# Altium PCB source.PcbDoc (part 1 of 2)
Units mm, origin at the board's own origin, x right, y up, seen from the top; angles counter-clockwise.
Board outline 160 x 160 mm, 4 copper layers (Top Layer, Layer 1, Layer 2, Bottom Layer), stack 0.603 mm thick; 417 components, 228 nets, 1083 pads, 39 vias.
Unrouted connection lines stored in the file: 679.
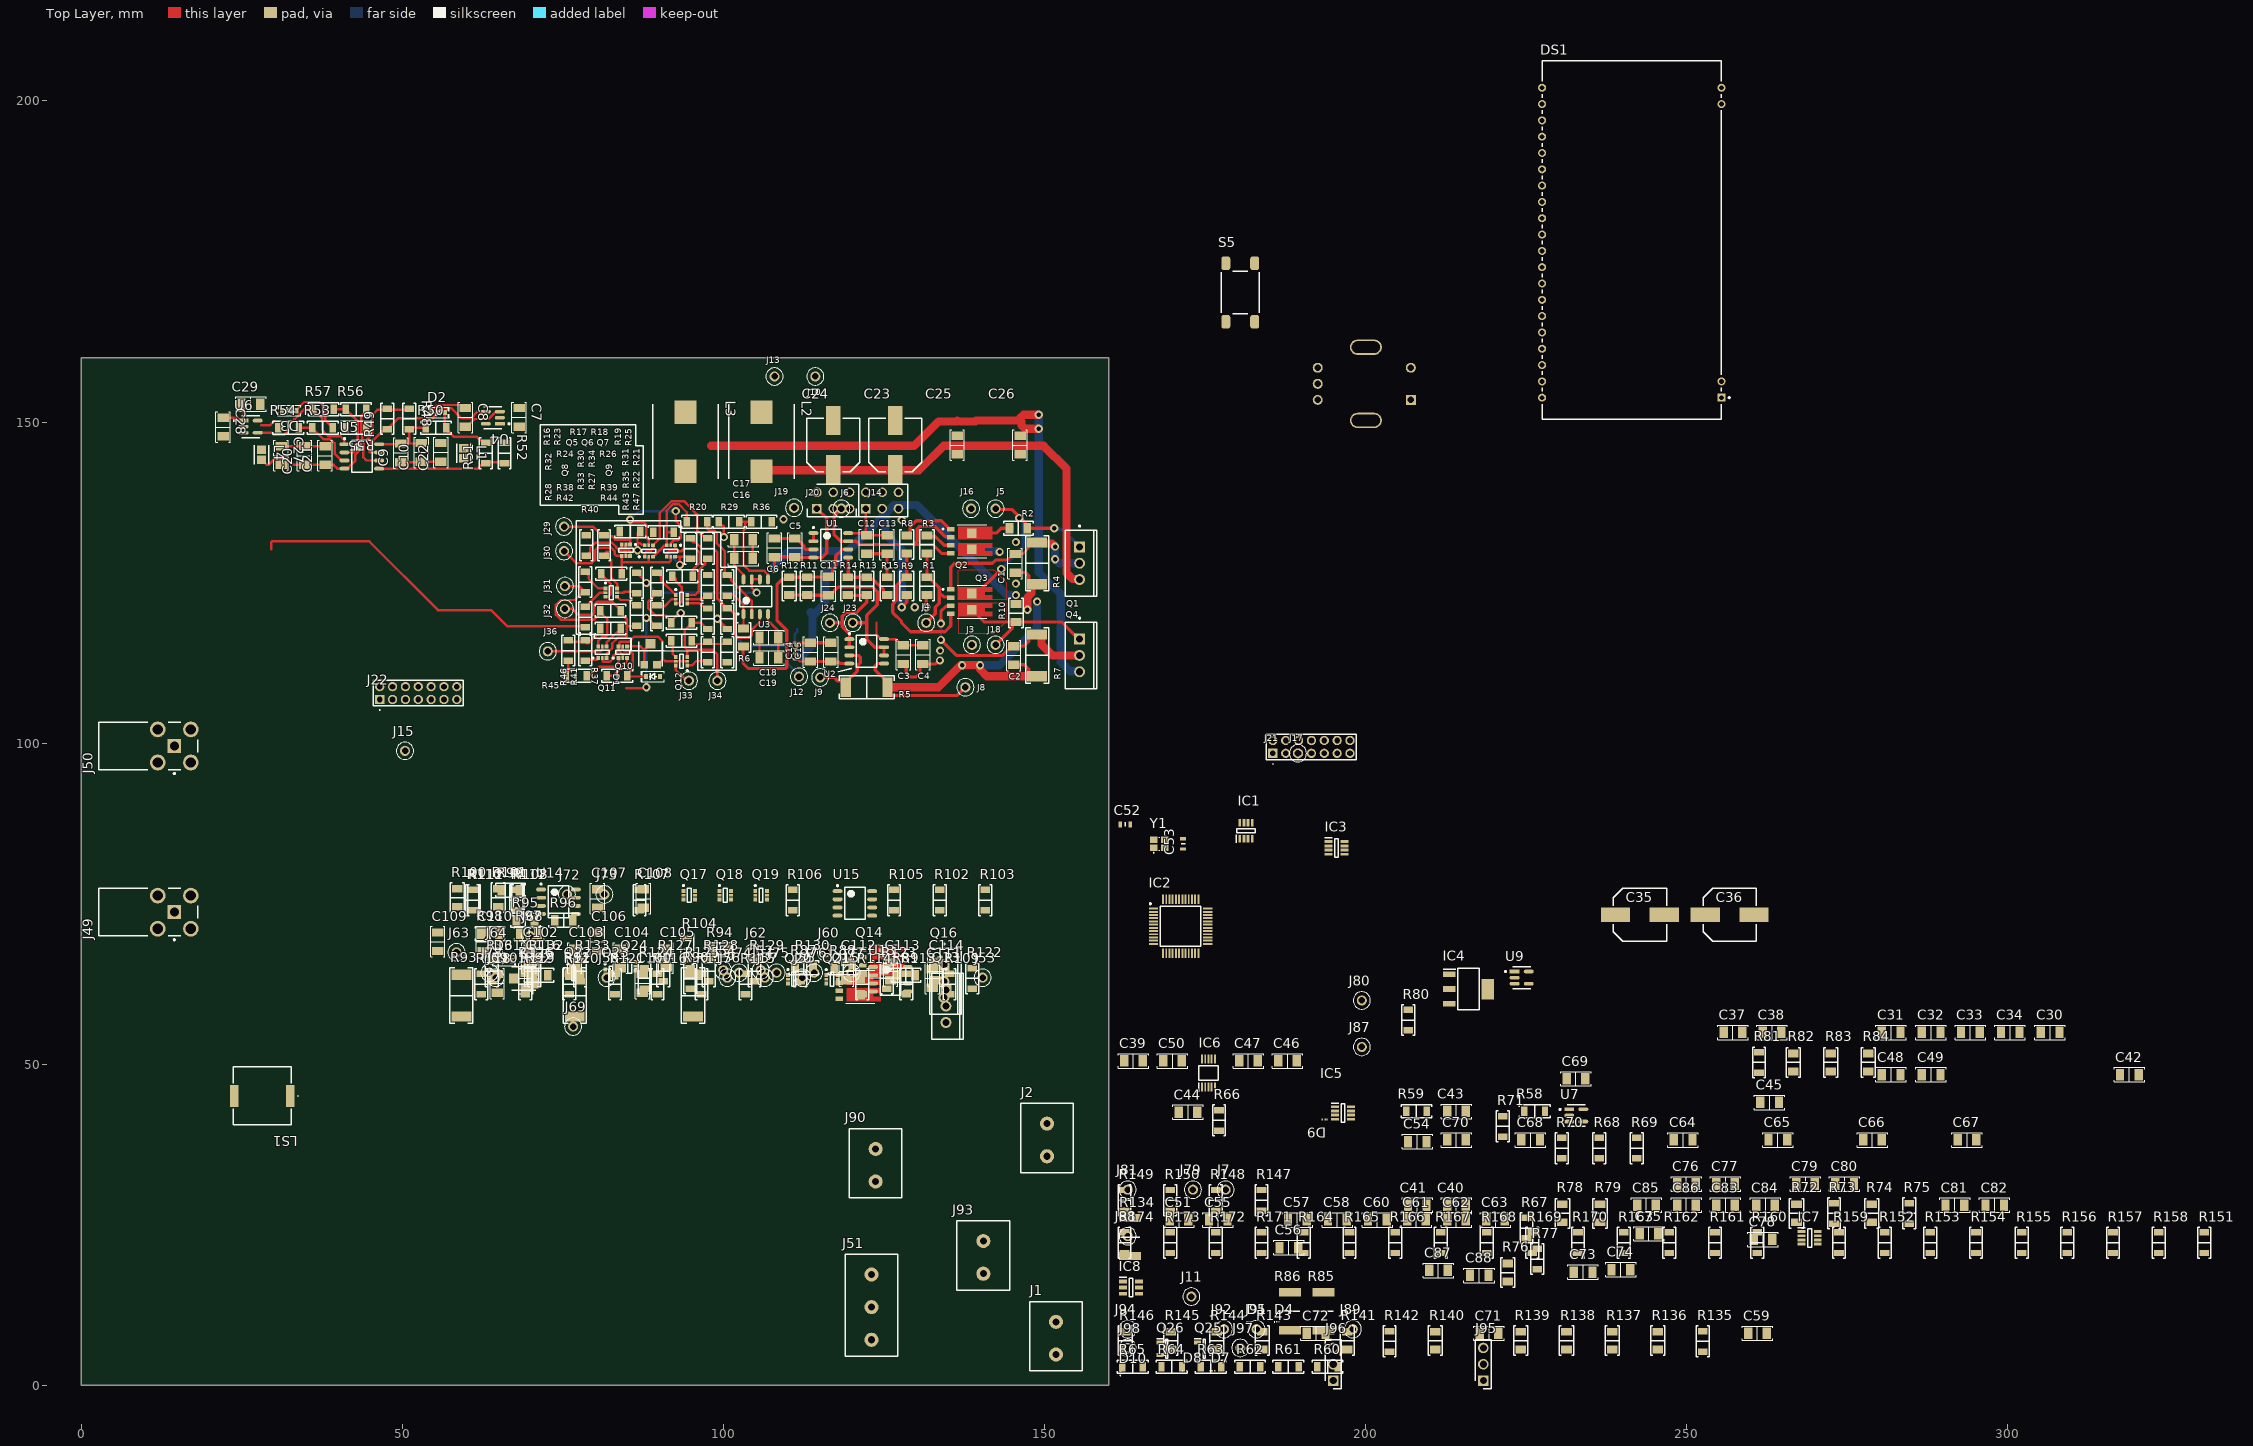
[diagram p0: Top Layer view]
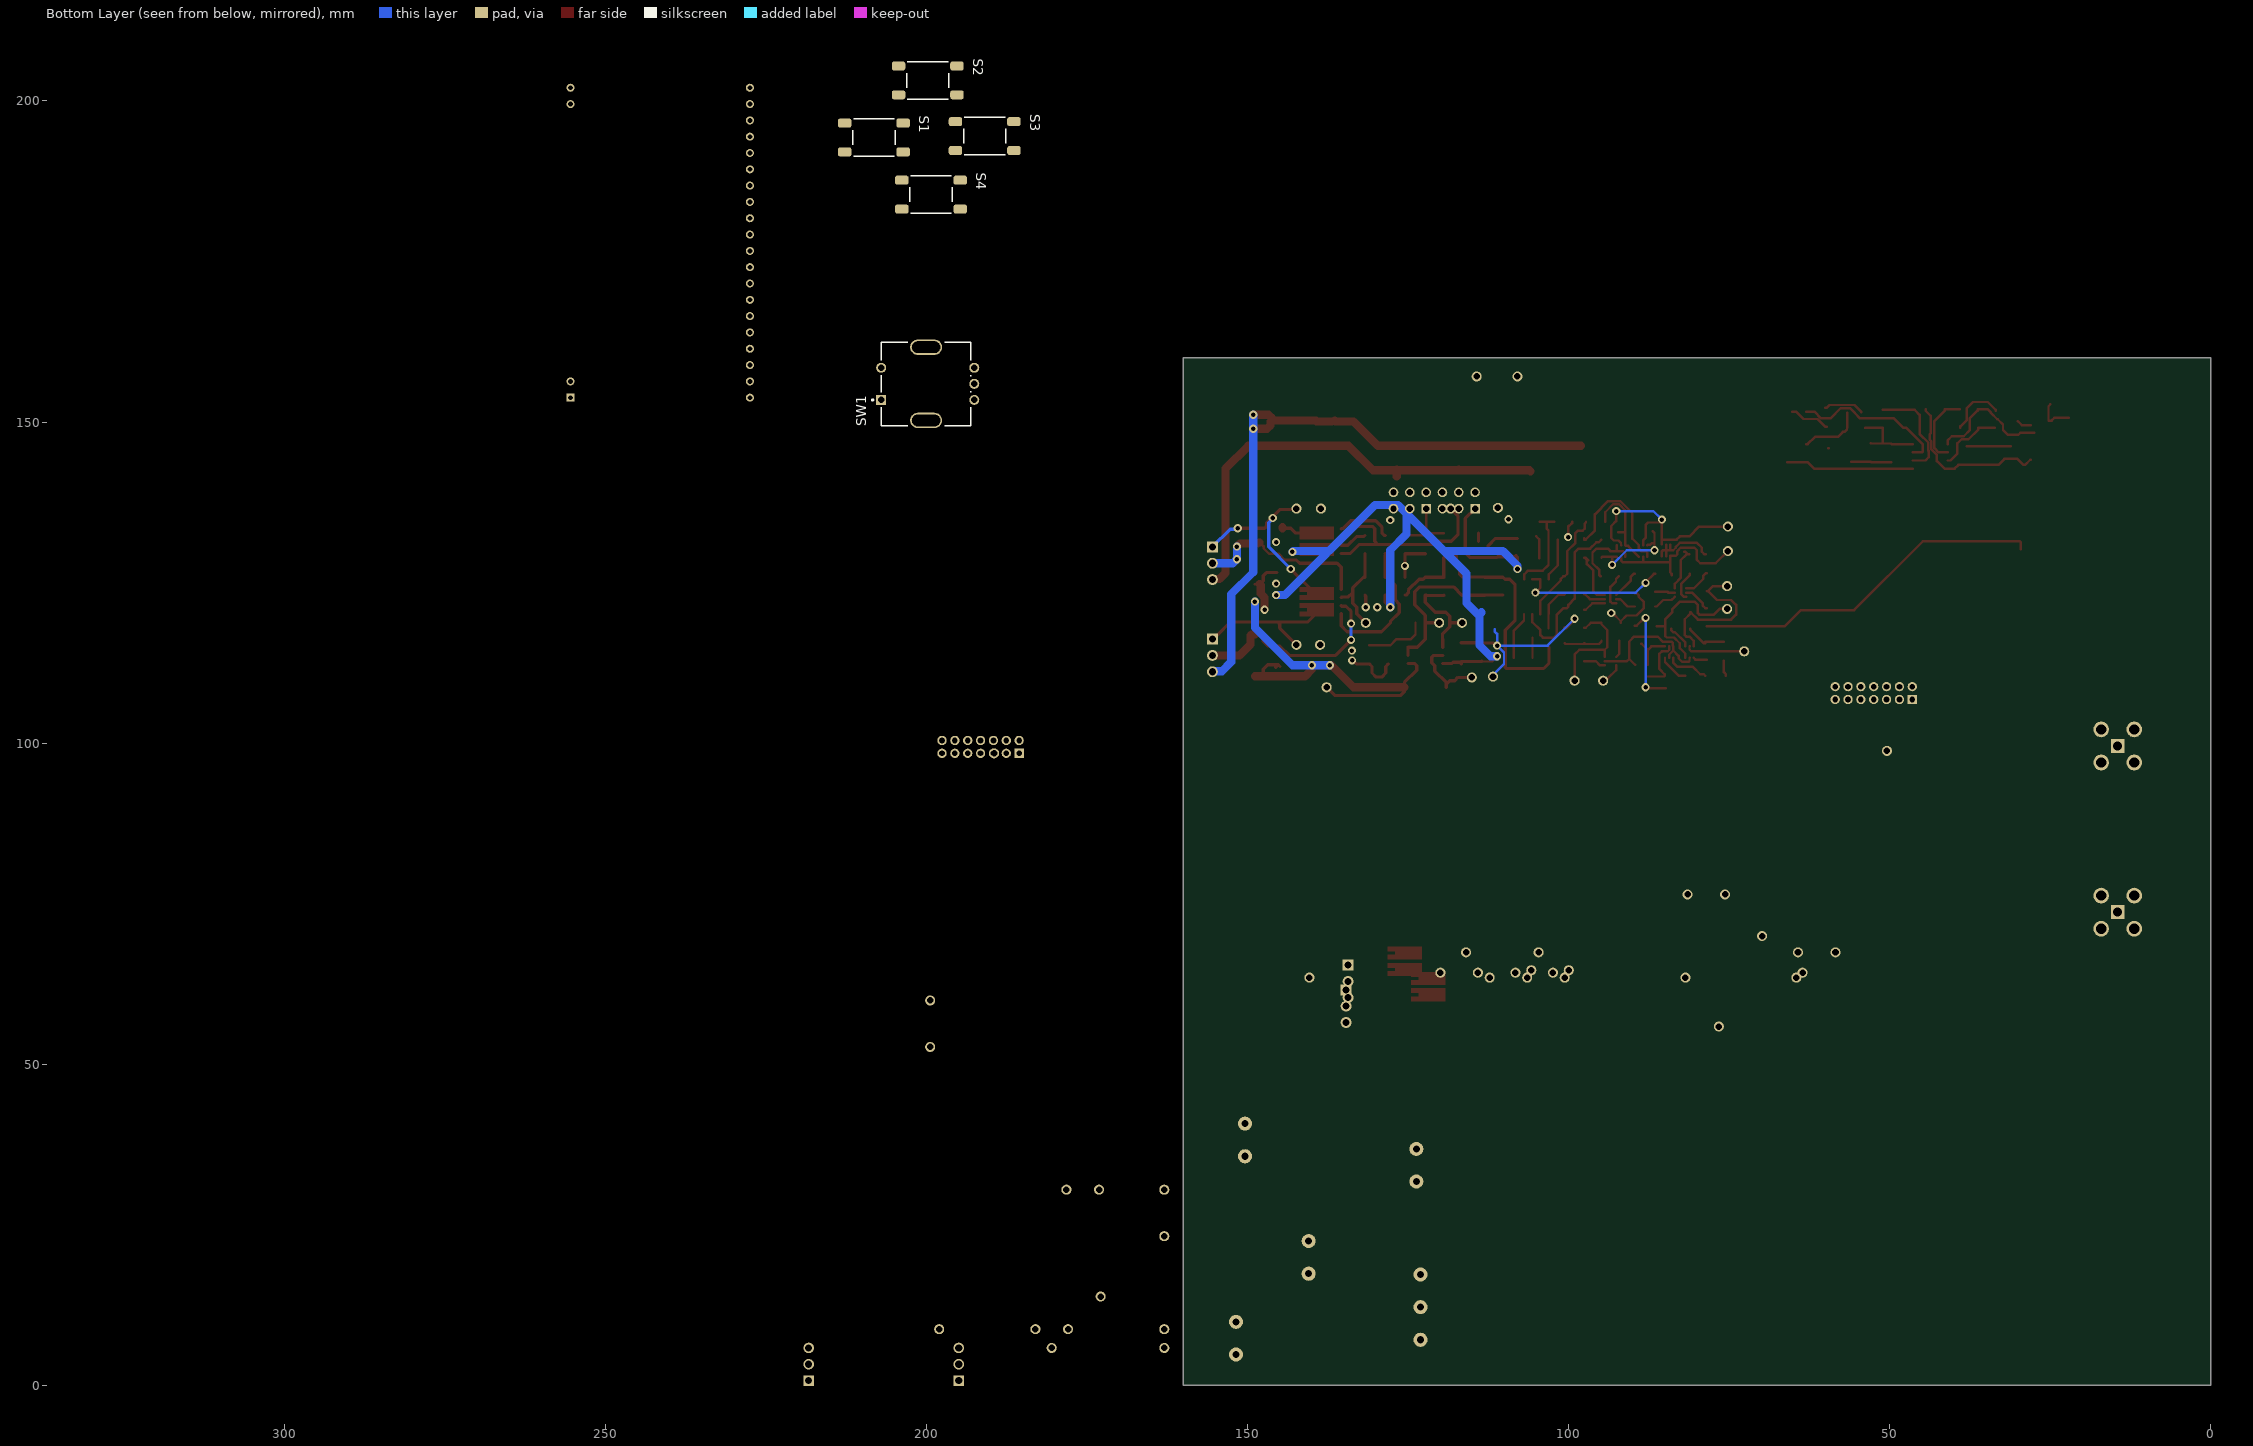
[diagram p1: Bottom Layer view, seen from below]

## Layer stack, top to bottom
Top Solder: solder mask 0.0102, Solder Resist, Dk 3.5
Top Layer: signal copper 0.0356
Dielectric 2: prepreg 0.0711, PP-006, Dk 4.1
Layer 1: signal copper 0.035
Dielectric 1: dielectric 0.32, FR-4, Dk 4.8
Layer 2: signal copper 0.035
Dielectric 3: prepreg 0.0711, PP-006, Dk 4.1
Bottom Layer: signal copper 0.0356
Bottom Solder: solder mask 0.0102, Solder Resist, Dk 3.5

## Board outline
0,0 0,160 160,160 160,0

## Design rules (kind name [scope] priority, off if disabled: settings)
BoardOutlineClearance [All] p1: gap=0.3 ignorepadtopadclearanceinfootprint=FALSE except(0.4: Arc-SplitBarrior Arc-SplitContinuation Track-SplitBarrior Track-SplitContinuation SMDPad-SplitBarrior SMDPad-SplitContinuation THPad-SplitBarrior THPad-SplitContinuation Via-SplitBarrior Via-SplitContinuation Fill-SplitBarrior Fill-SplitContinuation Poly-SplitBarrior Poly-SplitContinuation Region-SplitBarrior Region-SplitContinuation Text-SplitBarrior Text-SplitContinuation)
Clearance "Clearance Different Nets" [All] p1: gap=0.2 ignorepadtopadclearanceinfootprint=FALSE except(0.089: Arc-Arc Arc-Track Arc-SMDPad Track-Track Track-SMDPad; 0.127: SMDPad-SMDPad SMDPad-Via THPad-Via Via-Via; 0.254: Arc-Via Arc-Text Track-Via Track-Text SMDPad-Text THPad-Text Via-Text Fill-Text Poly-Text Region-Text Text-Text; 0.5: THPad-THPad Via-Hole)
Clearance "Clearance Same Nets" [All] p2: gap=0.2 ignorepadtopadclearanceinfootprint=FALSE except(0.089: Arc-Arc Arc-Track Arc-SMDPad Track-Track Track-SMDPad SMDPad-SMDPad; 0.127: SMDPad-Via THPad-Via; 0.254: Arc-Via Arc-Text Track-Via Track-Text SMDPad-Text THPad-Text Via-Via Via-Text Fill-Text Poly-Text Region-Text Text-Text)
Clearance "Clearance Bottom Layer" [OnLayer('Bottom Layer')] p3: gap=0.203 ignorepadtopadclearanceinfootprint=TRUE except(0.254: Arc-Text Track-Text SMDPad-Text THPad-Text Via-Text Fill-Text Poly-Text Region-Text Text-Text)
Clearance "Clearance Top Layer" [OnLayer('Top Layer')] p4: gap=0.203 ignorepadtopadclearanceinfootprint=TRUE except(0.254: Arc-Text Track-Text SMDPad-Text THPad-Text Via-Text Fill-Text Poly-Text Region-Text Text-Text)
Clearance [All] p5: gap=0.254 ignorepadtopadclearanceinfootprint=FALSE except(0: Arc-Hole Track-Hole SMDPad-Hole THPad-Hole Via-Hole Fill-Hole Poly-Hole Region-Hole Text-Hole)
HoleSize [All] p1: absolutevalues=TRUE maxlimit=6.3 minlimit=0.2 maxpercent=80.000 minpercent=20.000
MinimumAnnularRing [All] p1: minimumring=0.13
MinimumSolderMaskSliver [All] p1: minsoldermaskwidth=0.1
ParallelSegment [All] p1: limit=254 gap=0.254
PolygonConnect PolygonConnect_1 [All] p1: thpad.connectstyle=Relief thpad.reliefconductorwidth=0.508 thpad.reliefentries=4 thpad.polygonreliefangle="90 Angle" thpad.airgapwidth=0.254 smdpad.connectstyle=Relief smdpad.reliefconductorwidth=0.508 smdpad.reliefentries=4 smdpad.polygonreliefangle="90 Angle" smdpad.airgapwidth=0.254 via.connectstyle=Direct via.reliefconductorwidth=0.508 via.reliefentries=4 via.polygonreliefangle="90 Angle" via.airgapwidth=0.254
PolygonConnect [All] p2: connectstyle=Relief reliefconductorwidth=0.254 reliefentries=4 polygonreliefangle="90 Angle" airgapwidth=0.254
RoutingCorners [All] p1: cornerstyle=Round minsetback=2.54 maxsetback=2.54
RoutingVias [All] p1: holewidth=0.5 width=1 viastyle="Through Hole" minholewidth=0.2 minwidth=0.35 maxholewidth=1 maxwidth=2
SilkToSilkClearance [All] p1: silktosilkclearance=0.1
SilkToSolderMaskClearance [IsPad] p1: minsilkscreentomaskgap=0.1 clearancetoexposedcopper=TRUE
SolderMaskExpansion [All] p1: expansion=0.102 istentingtop=FALSE
Width [All] p1: maxlimit=2.54 minlimit=0.089 preferedwidth=0.381
25 further rules are at their usual default settings.

## Classes and differential pairs
component class resistors: IC7 J21 J22 R151 R152 R153 R154 R155 R156 R157 R158 R159 R160 R161 R162 R163 R164 R165 R166 R167 R168 R169 R170 R171 R172 R173 R174
component class power: C3 C4 C5 C6 C9 C10 C12 C13 C14 C15 C16 C17 C18 C19 C20 C21 C40 C41 C42 C43 C45 C48 C49 C60 C61 C62 C63 C73 C74 C75 C76 C77 C78 C79 C80 C82 C84 C86 C88 C102 C103 C104 C105 C107 C108 C109 C110 C112 C113 C114 C115 IC8 R58 R59 R67 R80 U7 U9
component class LCD: C51 C55 C56 C57 C58 DS1 IC4 R134 R?
component class vca_B: C111 C116 D6 J72 J73 J74 J75 J76 J77 J78 Q17 Q18 Q19 Q20 Q21 Q22 Q23 Q24 R102 R103 R104 R105 R106 R107 R108 R109 R110 R111 R112 R113 R114 R115 R116 R117 R118 R119 R120 R121 R122 R123 R124 R125 R126 R127 R128 R129 R130 R131 R132 R133 U15
component class source_B: C100 C101 C106 J20 J52 J53 J54 J55 J56 J57 J58 J59 J60 J62 J63 J64 J68 J69 Q13 Q14 Q15 Q16 R87 R88 R89 R90 R91 R92 R93 R94 R95 R96 R97 R98 R99 R100 R101 R147 R148 R149 R150 U13 U14
component class connectors: C23 C24 C25 C26 C35 C36 C37 C38 D4 D5 D7 D8 D9 D10 J1 J2 J11 J49 J50 J51 J89 J90 J91 J92 J93 J94 J95 J96 J97 J98 L2 L3 Q25 Q26 R85 R86
component class filters: C59 C64 C65 C66 C67 C68 C71 C72 C81 C83 C85 C87 IC1 IC3 IC5 R72 R73 R74 R75 R76 R77 R78 R79 R81 R82 R83 R84 R135 R136 R137 R138 R139 R140 R141 R142 R143 R144 R145 R146
component class misc: C39 C50 C52 C53 C69 C70 IC6 J87 J88 LS1 R68 R69 R70 R71 S1 S2 S3 S4 SW1 Y1
component class MCU: C44 IC2 R66 S5
component class LDO: C8 C22 C27 C28 C29 C30 C31 C32 C33 C34 C46 C47 D2 D3 D? J7 J15 J19 J79 J80 J81 L1 L4 R48 R49 R50 R51 R52 R53 R54 R55 R56 R57 R64 R65 U4 U5 U6
component class vca_A: C7 C54 D1 J29 J30 J31 J32 J33 J34 J36 Q5 Q6 Q7 Q8 Q9 Q10 Q11 Q12 R16 R17 R18 R19 R20 R21 R22 R23 R24 R25 R26 R27 R28 R29 R30 R31 R32 R33 R34 R35 R36 R37 R38 R39 R40 R41 R42 R43 R44 R45 R46 R47 U3
component class source_A: C1 C2 C11 J3 J4 J5 J6 J8 J9 J10 J12 J13 J14 J16 J17 J18 J23 J24 Q1 Q2 Q3 Q4 R1 R2 R3 R4 R5 R6 R7 R8 R9 R10 R11 R12 R13 R14 R15 R60 R61 R62 R63 U1 U2

## Components (designator, comment, footprint, x,y, rotation, side; value= is the part's Value field where it differs from the comment)
C1 "0.1 µF" "CAP 1206_3216 - 0.8MM" 145.415,128.016 r90 top
C2 "0.1 µF" "CAP 1206_3216 - 0.8MM" 145.198,113.665 r270 top
C3 "1 µF" "CAP 1206_3216 - 0.8MM" 128.016,113.792 r90 top
C4 "0.1 µF" "CAP 1206_3216 - 0.8MM" 131.064,113.792 r90 top
C5 "0.1 µF" "CAP 1206_3216 - 0.8MM" 111.125,130.429 r90 top
C6 "1 µF" "CAP 1206_3216 - 0.8MM" 107.95,130.429 r90 top
C7 "1 µF" "CAP 1206_3216 - 0.8MM" 68.199,150.749 r270 top
C8 "2.2 µF" "CAP 1206_3216 - 0.8MM" 59.817,150.749 r270 top
C9 "1 µF" "CAP 1206_3216 - 0.8MM" 49.784,145.214 r90 top
C10 "0.1 µF" "CAP 1206_3216 - 0.8MM" 52.959,145.288 r90 top
C11 "47pF" "CAP 1206_3216 - 1.8MM" 116.332,124.46 r270 top
C12 "1 µF" "CAP 1206_3216 - 0.8MM" 122.301,130.937 r90 top
C13 "0.1 µF" "CAP 1206_3216 - 0.8MM" 125.476,130.937 r90 top
C14 "0.1 µF" "CAP 1206_3216 - 0.8MM" 113.538,114.173 r90 top
C15 "1 µF" "CAP 1206_3216 - 0.8MM" 116.713,114.173 r90 top
C16 "1 µF" "CAP 1206_3216 - 0.8MM" 103.124,128.778 r180 top
C17 "0.1 µF" "CAP 1206_3216 - 0.8MM" 103.124,131.699 r180 top
C18 "0.1 µF" "CAP 1206_3216 - 0.8MM" 107.061,116.459 r180 top
C19 "1 µF" "CAP 1206_3216 - 0.8MM" 107.061,113.284 r180 top
C20 "0.1 µF" "CAP 1206_3216 - 0.8MM" 34.798,144.78 r90 top
C21 "1 µF" "CAP 1206_3216 - 0.8MM" 37.973,144.78 r90 top
C22 "2.2 µF" "CAP 1206_3216 - 0.8MM" 56.007,145.288 r90 top
C23 "100 µF" "CAP ALSMD 8.3MM H10.5MM" 126.746,146.431 r90 top
C24 "100 µF" "CAP ALSMD 8.3MM H10.5MM" 117.094,146.431 r90 top
C25 "10 µF" "CAP 1206_3216 - 0.8MM" 136.398,146.431 r90 top
C26 "0.1 µF" "CAP 1206_3216 - 0.8MM" 146.177,146.431 r90 top
C27 "2.2 µF" "CAP 1206_3216 - 0.8MM" 31.115,144.78 r270 top
C28 "2.2 µF" "CAP 1206_3216 - 0.8MM" 22.098,149.225 r270 top
C29 "10 µF" "CAP 1206_3216 - 0.8MM" 26.416,152.781 r0 top
C30 "10 µF" "CAP 1206_3216 - 0.8MM" 306.578,54.991 r0 top
C31 "2.2 µF" "CAP 1206_3216 - 0.8MM" 281.813,54.991 r0 top
C32 "2.2 µF" "CAP 1206_3216 - 0.8MM" 288.036,54.991 r0 top
C33 "2.2 µF" "CAP 1206_3216 - 0.8MM" 294.132,54.991 r0 top
C34 "2.2 µF" "CAP 1206_3216 - 0.8MM" 300.355,54.991 r0 top
C35 "100 µF" "CAP ALSMD 8.3MM H10.5MM" 242.697,73.279 r0 top
C36 "100 µF" "CAP ALSMD 8.3MM H10.5MM" 256.667,73.279 r0 top
C37 "10 µF" "CAP 1206_3216 - 0.8MM" 257.175,54.991 r0 top
C38 "0.1 µF" "CAP 1206_3216 - 0.8MM" 263.271,54.991 r0 top
C39 "1 µF" "CAP 1206_3216 - 0.8MM" 163.83,50.546 r0 top
C40 "2.2 µF" "CAP 1206_3216 - 0.8MM" 214.122,28.067 r0 top
C41 "2.2 µF" "CAP 1206_3216 - 0.8MM" 208.026,28.067 r0 top
C42 "2.2 µF" "CAP 1206_3216 - 0.8MM" 318.897,48.387 r0 top
C43 "2.2 µF" "CAP 1206_3216 - 0.8MM" 214.122,42.672 r0 top
C44 "0.1 µF" "CAP 1206_3216 - 0.8MM" 172.339,42.545 r0 top
C45 "0.1 µF" "CAP 1206_3216 - 0.8MM" 262.89,44.069 r0 top
C46 "47pF" "CAP 1206_3216 - 1.8MM" 187.833,50.546 r0 top
C47 "47pF" "CAP 1206_3216 - 1.8MM" 181.737,50.546 r0 top
C48 "4.7 µF" "CAP 1206_3216 - 0.8MM" 281.813,48.387 r0 top
C49 "0.1 µF" "CAP 1206_3216 - 0.8MM" 288.036,48.387 r0 top
C50 "0.1 µF" "CAP 1206_3216 - 0.8MM" 169.926,50.546 r0 top
C51 "1 µF" "CAP 1206_3216 - 0.8MM" 170.942,25.781 r0 top
C52 "4pF" CAPC1608X80N 162.56,87.376 r0 top
C53 "4pF" CAPC1608X80N 171.577,84.328 r90 top
C54 "0.1 µF" "CAP 1206_3216 - 0.8MM" 208.026,37.973 r0 top
C55 "1 µF" "CAP 1206_3216 - 0.8MM" 177.038,25.781 r0 top
C56 "1 µF" "CAP 1206_3216 - 0.8MM" 188.034,21.463 r0 top
C57 "1 µF" "CAP 1206_3216 - 0.8MM" 189.357,25.781 r0 top
C58 "1 µF" "CAP 1206_3216 - 0.8MM" 195.58,25.781 r0 top
C59 "0.1 µF" "CAP 1206_3216 - 0.8MM" 260.985,8.128 r0 top
C60 "2.2 µF" "CAP 1206_3216 - 0.8MM" 201.803,25.781 r0 top
C61 "2.2 µF" "CAP 1206_3216 - 0.8MM" 207.899,25.781 r0 top
C62 "2.2 µF" "CAP 1206_3216 - 0.8MM" 214.122,25.781 r0 top
C63 "2.2 µF" "CAP 1206_3216 - 0.8MM" 220.218,25.781 r0 top
C64 "0.1 µF" "CAP 1206_3216 - 0.8MM" 249.428,38.227 r0 top
C65 "0.1 µF" "CAP 1206_3216 - 0.8MM" 264.16,38.227 r0 top
C66 "0.1 µF" "CAP 1206_3216 - 0.8MM" 278.892,38.227 r0 top
C67 "0.1 µF" "CAP 1206_3216 - 0.8MM" 293.624,38.227 r0 top
C68 "0.1 µF" "CAP 1206_3216 - 0.8MM" 225.679,38.227 r0 top
C69 "0.1 µF" "CAP 1206_3216 - 0.8MM" 232.738,47.752 r0 top
C70 "0.1 µF" "CAP 1206_3216 - 0.8MM" 214.122,38.227 r0 top
C71 "0.1 µF" "CAP 1206_3216 - 0.8MM" 219.202,8.128 r0 top
C72 "0.1 µF" "CAP 1206_3216 - 0.8MM" 192.278,8.128 r0 top
C73 "1 µF" "CAP 1206_3216 - 0.8MM" 233.86,17.653 r0 top
C74 "0.1 µF" "CAP 1206_3216 - 0.8MM" 239.723,18.034 r0 top
C75 "1 µF" "CAP 1206_3216 - 0.8MM" 244.094,23.622 r0 top
C76 "0.1 µF" "CAP 1206_3216 - 0.8MM" 249.936,31.369 r0 top
C77 "1 µF" "CAP 1206_3216 - 0.8MM" 256.032,31.369 r0 top
C78 "0.1 µF" "CAP 1206_3216 - 0.8MM" 261.874,22.733 r0 top
C79 "1 µF" "CAP 1206_3216 - 0.8MM" 268.478,31.369 r0 top
C80 "0.1 µF" "CAP 1206_3216 - 0.8MM" 274.574,31.369 r0 top
C81 "0.1 µF" "CAP 1206_3216 - 0.8MM" 291.719,28.067 r0 top
C82 "1 µF" "CAP 1206_3216 - 0.8MM" 297.942,28.067 r0 top
C83 "0.1 µF" "CAP 1206_3216 - 0.8MM" 256.032,28.067 r0 top
C84 "0.1 µF" "CAP 1206_3216 - 0.8MM" 262.255,28.067 r0 top
C85 "0.1 µF" "CAP 1206_3216 - 0.8MM" 243.713,28.067 r0 top
C86 "1 µF" "CAP 1206_3216 - 0.8MM" 249.936,28.067 r0 top
C87 "0.1 µF" "CAP 1206_3216 - 0.8MM" 211.328,17.907 r0 top
C88 "10 µF" "CAP 1206_3216 - 0.8MM" 217.678,17.145 r0 top
C100 "0.1 µF" "CAP 1206_3216 - 0.8MM" 87.388,62.611 r90 top
C101 "0.1 µF" "CAP 1206_3216 - 0.8MM" 64.782,62.611 r90 top
C102 "1 µF" "CAP 1206_3216 - 0.8MM" 69.735,66.548 r90 top
C103 "0.1 µF" "CAP 1206_3216 - 0.8MM" 76.847,66.548 r90 top
C104 "0.1 µF" "CAP 1206_3216 - 0.8MM" 83.959,66.548 r90 top
C105 "1 µF" "CAP 1206_3216 - 0.8MM" 91.071,66.548 r90 top
C106 "47pF" "CAP 1206_3216 - 1.8MM" 80.403,69.088 r90 top
C107 "1 µF" "CAP 1206_3216 - 0.8MM" 80.403,75.819 r90 top
C108 "0.1 µF" "CAP 1206_3216 - 0.8MM" 87.515,75.819 r90 top
C109 "0.1 µF" "CAP 1206_3216 - 0.8MM" 55.511,69.088 r90 top
C110 "1 µF" "CAP 1206_3216 - 0.8MM" 62.623,69.088 r90 top
C111 "0.1 µF" "CAP 1206_3216 - 0.8MM" 132.525,63.373 r90 top
C112 "1 µF" "CAP 1206_3216 - 0.8MM" 119.19,64.516 r90 top
C113 "0.1 µF" "CAP 1206_3216 - 0.8MM" 126.048,64.516 r90 top
C114 "0.1 µF" "CAP 1206_3216 - 0.8MM" 132.906,64.516 r90 top
C115 "1 µF" "CAP 1206_3216 - 0.8MM" 69.279,63.373 r90 top
C116 "1 µF" "CAP 1206_3216 - 0.8MM" 70.168,64.516 r90 top
D1 "4V7" SOD323 89.027,110.363 r180 top
D2 "1V8" SOD323 55.499,151.511 r0 top
D3 "1V8" SOD323 32.385,151.765 r180 top
D4 "ESDZV5HS-1BF4" ESDZV5HS1BF4 186.309,9.906 r0 top
D5 "ESDZV5HS-1BF4" ESDZV5HS1BF4 181.991,9.906 r0 top
D6 "4V7" SOD323 65.85,66.167 r0 top
D7 "ESDAXLC18-1BF4" ESDAXLC181BF4 176.276,2.286 r0 top
D8 "ESDAXLC18-1BF4" ESDAXLC181BF4 171.958,2.286 r0 top
D9 "ESDAXLC18-1BF4" ESDAXLC181BF4 193.468,41.402 r180 top
D10 "ESDAXLC18-1BF4" ESDAXLC181BF4 161.798,2.032 r90 top
DS1 "EA DOGM132W-5" FP-EA_DOGM132L-5-MFG 241.427,178.327 r90 top
IC1 "TLV9002IDDFR" SOT65P280X110-8N 181.356,86.36 r90 top
IC2 "STM32G030C8T6" QFP50P900X900X160-48N 171.196,71.501 r0 top
IC3 "TLV9002IDDFR" SOT65P280X110-8N 195.453,83.693 r0 top
IC4 "NCR321ZX" SOT230P700X180-4N 216.027,61.722 r0 top
IC5 "TLV9002IDDFR" SOT65P280X110-8N 196.469,42.418 r0 top
IC6 "MCP4728-E_UN" SOP50P490X110-10N 175.514,48.641 r90 top
IC7 "TLV9002IDDFR" SOT65P280X110-8N 269.113,22.987 r0 top
IC8 "REF3425IDBVR" SOT95P280X145-6N 163.449,15.24 r0 top
J1 "282837-2" "TE 282837-2" 151.765,7.366 r90 top
J2 "282837-2" "TE 282837-2" 150.368,38.227 r90 top
J3 "5001" FP-5001-MFG 138.684,115.316 r0 top
J4 "5001" FP-5001-MFG 131.572,118.745 r0 top
J5 "5001" FP-5001-MFG 142.367,136.525 r0 top
J6 "5001" FP-5001-MFG 118.364,136.525 r0 top
J7 "5001" FP-5001-MFG 178.181,30.48 r0 top
J8 "5001" FP-5001-MFG 137.668,108.712 r0 top
J9 "5001" FP-5001-MFG 115.062,110.236 r0 top
J10 "5001" FP-5001-MFG 114.3,157.099 r0 top
J11 "5001" FP-5001-MFG 172.847,13.843 r0 top
J12 "5001" FP-5001-MFG 111.76,110.363 r0 top
J13 "5001" FP-5001-MFG 107.95,157.099 r0 top
J14 "PRT-12807" HDRV6W82P254_2X3_762X500X884P 122.174,136.525 r0 top
J15 "M20-9990346" FP-5001-MFG 50.419,98.806 r0 top
J16 "5001" FP-5001-MFG 138.557,136.525 r0 top
J17 "5001" FP-5001-MFG 189.445,98.425 r0 top
J18 "5001" FP-5001-MFG 142.367,115.316 r0 top
J19 "M20-9990346" FP-5001-MFG 110.998,136.652 r0 top
J20 "PRT-12807" HDRV6W82P254_2X3_762X500X884P 114.554,136.525 r0 top
J21 "MTMM-107-04-G-D-185" MTMM10704GD185 185.547,98.425 r0 top
J22 "MTMM-107-04-G-D-185" MTMM10704GD185 46.482,106.807 r0 top
J23 "5001" FP-5001-MFG 120.142,118.745 r0 top
J24 "5001" FP-5001-MFG 116.586,118.745 r0 top
J29 "5001" FP-5001-MFG 75.184,133.731 r0 top
J30 "5001" FP-5001-MFG 75.184,129.921 r0 top
J31 "5001" FP-5001-MFG 75.311,124.46 r0 top
J32 "5001" FP-5001-MFG 75.311,120.904 r0 top
J33 "5001" FP-5001-MFG 94.615,109.728 r0 top
J34 "5001" FP-5001-MFG 99.06,109.728 r0 top
J36 "5001" FP-5001-MFG 72.644,114.3 r0 top
J49 "PCB.SMAFRA.HT" FP-PCB_SMAFRA_HT-MFG 10.452,73.695 r90 top
J50 "PCB.SMAFRA.HT" FP-PCB_SMAFRA_HT-MFG 10.452,99.568 r90 top
J51 "282837-3" "TE 282837-3" 123.063,12.192 r90 top
J52 "5001" FP-5001-MFG 105.803,64.643 r0 top
J53 "5001" FP-5001-MFG 140.347,63.5 r0 top
J54 "5001" FP-5001-MFG 99.961,64.643 r0 top
J55 "5001" FP-5001-MFG 112.28,63.5 r0 top
J56 "5001" FP-5001-MFG 100.596,63.5 r0 top
J57 "5001" FP-5001-MFG 106.438,63.5 r0 top
J58 "5001" FP-5001-MFG 81.8,63.5 r0 top
J59 "5001" FP-5001-MFG 64.528,63.5 r0 top
J60 "5001" FP-5001-MFG 115.963,67.437 r0 top
J62 "5001" FP-5001-MFG 104.66,67.437 r0 top
J63 "5001" FP-5001-MFG 58.432,67.437 r0 top
J64 "5001" FP-5001-MFG 64.274,67.437 r0 top
J68 "5001" FP-5001-MFG 69.862,69.977 r0 top
J69 "5001" FP-5001-MFG 76.593,55.88 r0 top
J72 "5001" FP-5001-MFG 75.629,76.454 r0 top
J73 "5001" FP-5001-MFG 81.471,76.454 r0 top
J74 "5001" FP-5001-MFG 102.426,64.262 r0 top
J75 "5001" FP-5001-MFG 108.268,64.262 r0 top
J76 "5001" FP-5001-MFG 114.11,64.262 r0 top
J77 "5001" FP-5001-MFG 119.952,64.262 r0 top
J78 "5001" FP-5001-MFG 63.564,64.262 r0 top
J79 "5001" FP-5001-MFG 173.101,30.48 r0 top
J80 "5001" FP-5001-MFG 199.39,59.944 r0 top
J81 "5001" FP-5001-MFG 162.941,30.48 r0 top
J87 "5001" FP-5001-MFG 199.39,52.705 r0 top
J88 "5001" FP-5001-MFG 162.941,23.241 r0 top
J89 "5001" FP-5001-MFG 197.993,8.763 r0 top
J90 "282837-2" "TE 282837-2" 123.698,34.29 r90 top
J91 "5001" FP-5001-MFG 183.007,8.763 r0 top
J92 "5001" FP-5001-MFG 177.927,8.763 r0 top
J93 "282837-2" "TE 282837-2" 140.462,19.939 r90 top